# Altium PCB Copy of BGA_ACUity.PcbDoc (part 2 of 5) (continued)
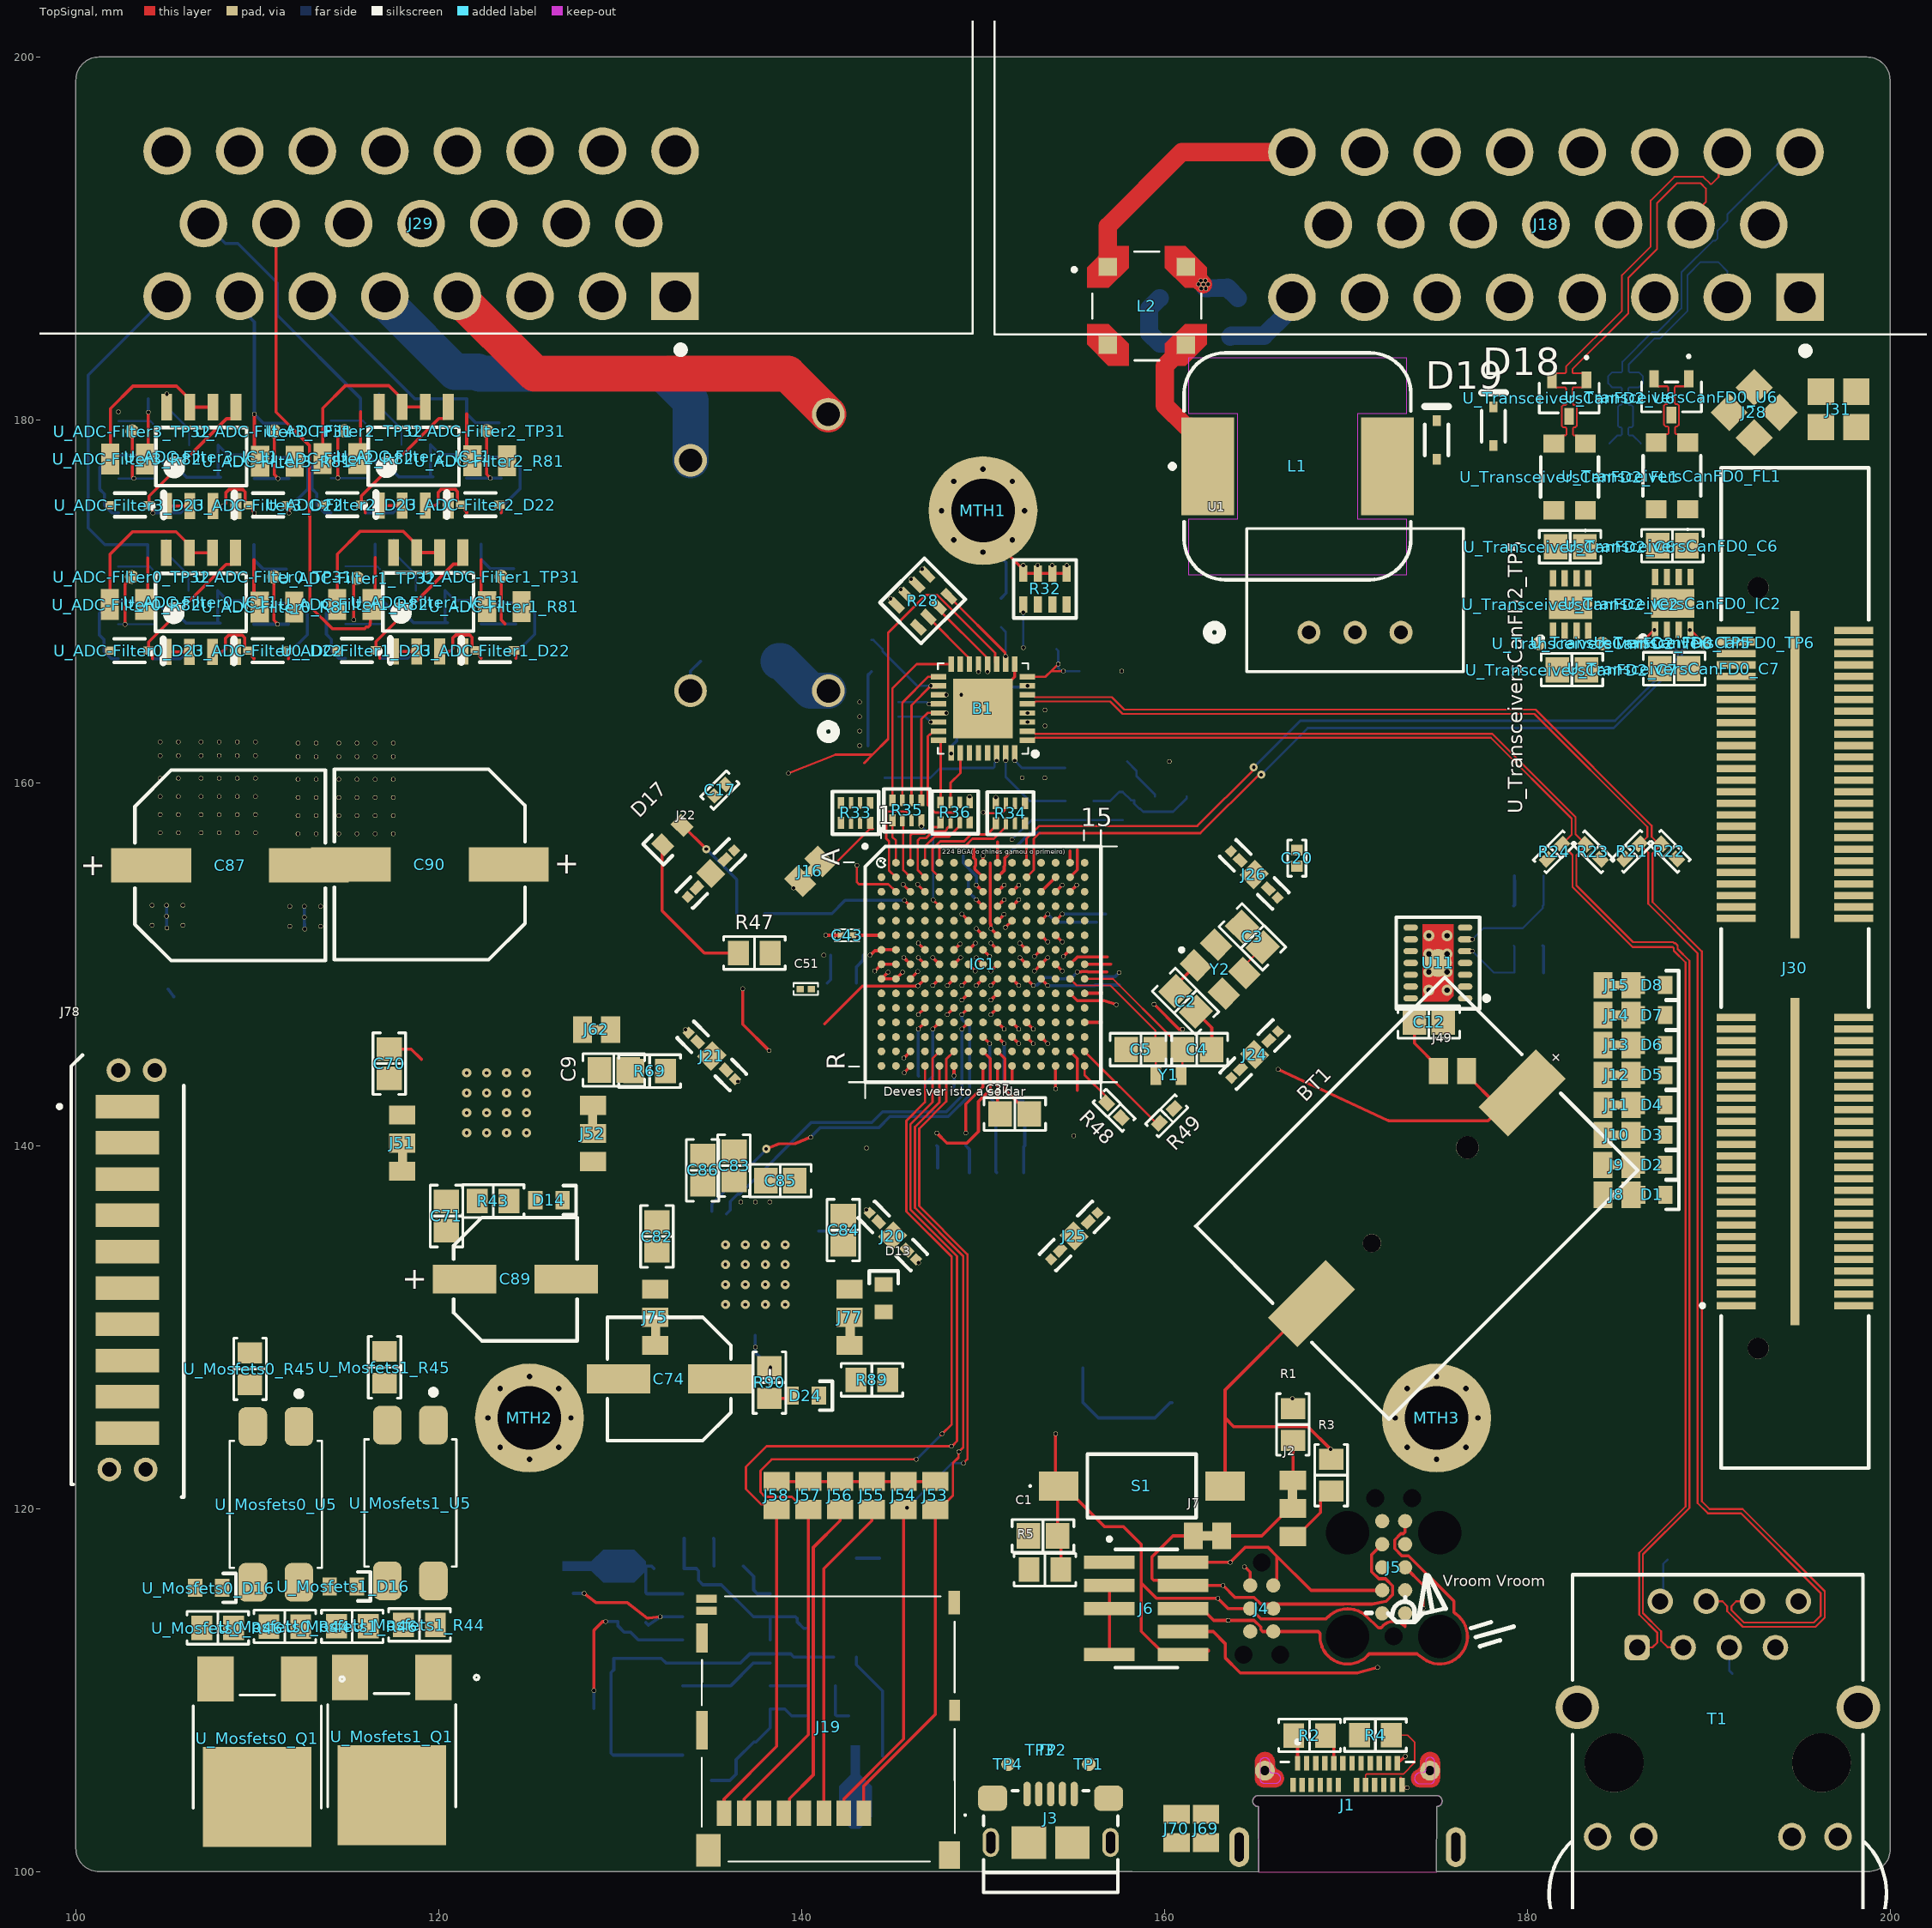
[diagram p0: TopSignal view]
## Components (designator, comment, footprint, x,y, rotation, side; value= is the part's Value field where it differs from the comment) (continued)
U_Mosfets0_D16 "RED" LED_0603_RED 107.32,115.632 r180 top (schematic designator D16)
U_Mosfets0_Q1 "RJF0408JPD-01J3" DPAKS_SC-63_PRSS0004ZD-C_REN 109.995,106.607 r180 top (schematic designator Q1)
U_Mosfets0_R44 "0Ohms" "RES 0805_2012" 111.52,113.507 r0 top (schematic designator R44)
U_Mosfets0_R45 "10 kOhms" "RES 0805_2012" 109.595,127.707 r270 top (schematic designator R45)
U_Mosfets0_R46 "10 kOhms" "RES 0805_2012" 107.82,113.432 r0 top (schematic designator R46)
U_Mosfets0_U5 "PC817" PC817 111.02,120.232 r270 top (schematic designator U5)
U_Mosfets1_D16 "RED" LED_0603_RED 114.736,115.717 r180 top (schematic designator D16)
U_Mosfets1_Q1 "RJF0408JPD-01J3" DPAKS_SC-63_PRSS0004ZD-C_REN 117.411,106.692 r180 top (schematic designator Q1)
U_Mosfets1_R44 "0Ohms" "RES 0805_2012" 118.936,113.592 r0 top (schematic designator R44)
U_Mosfets1_R45 "10 kOhms" "RES 0805_2012" 117.011,127.792 r270 top (schematic designator R45)
U_Mosfets1_R46 "10 kOhms" "RES 0805_2012" 115.236,113.517 r0 top (schematic designator R46)
U_Mosfets1_U5 "PC817" PC817 118.436,120.317 r270 top (schematic designator U5)
U_Mosfets2_D16 "RED" LED_0603_RED 114.99,118.006 r180 bottom (schematic designator D16)
U_Mosfets2_Q1 "RJF0408JPD-01J3" DPAKS_SC-63_PRSS0004ZD-C_REN 117.665,127.031 r180 bottom (schematic designator Q1)
U_Mosfets2_R44 "0Ohms" "RES 0805_2012" 119.19,120.131 r0 bottom (schematic designator R44)
U_Mosfets2_R45 "10 kOhms" "RES 0805_2012" 117.265,105.931 r90 bottom (schematic designator R45)
U_Mosfets2_R46 "10 kOhms" "RES 0805_2012" 115.49,120.206 r0 bottom (schematic designator R46)
U_Mosfets2_U5 "PC817" PC817 118.69,113.406 r90 bottom (schematic designator U5)
U_Mosfets3_D16 "RED" LED_0603_RED 106.518,118.121 r180 bottom (schematic designator D16)
U_Mosfets3_Q1 "RJF0408JPD-01J3" DPAKS_SC-63_PRSS0004ZD-C_REN 109.193,127.146 r180 bottom (schematic designator Q1)
U_Mosfets3_R44 "0Ohms" "RES 0805_2012" 110.718,120.246 r0 bottom (schematic designator R44)
U_Mosfets3_R45 "10 kOhms" "RES 0805_2012" 108.793,106.046 r90 bottom (schematic designator R45)
U_Mosfets3_R46 "10 kOhms" "RES 0805_2012" 107.018,120.321 r0 bottom (schematic designator R46)
U_Mosfets3_U5 "PC817" PC817 110.218,113.521 r90 bottom (schematic designator U5)
U_Mosfets4_D16 "RED" LED_0603_RED 104.642,148.223 r180 bottom (schematic designator D16)
U_Mosfets4_Q1 "RJF0408JPD-01J3" DPAKS_SC-63_PRSS0004ZD-C_REN 107.317,157.248 r180 bottom (schematic designator Q1)
U_Mosfets4_R44 "0Ohms" "RES 0805_2012" 109.097,150.451 r0 bottom (schematic designator R44)
U_Mosfets4_R45 "10 kOhms" "RES 0805_2012" 107.396,137.451 r90 bottom (schematic designator R45)
U_Mosfets4_R46 "10 kOhms" "RES 0805_2012" 105.496,150.451 r0 bottom (schematic designator R46)
U_Mosfets4_U5 "PC817" PC817 108.697,143.951 r90 bottom (schematic designator U5)
U_Mosfets5_D16 "RED" LED_0603_RED 112.5,148 r180 bottom (schematic designator D16)
U_Mosfets5_Q1 "RJF0408JPD-01J3" DPAKS_SC-63_PRSS0004ZD-C_REN 114.913,157.191 r180 bottom (schematic designator Q1)
U_Mosfets5_R44 "0Ohms" "RES 0805_2012" 116.692,150.394 r0 bottom (schematic designator R44)
U_Mosfets5_R45 "10 kOhms" "RES 0805_2012" 114.992,137.394 r90 bottom (schematic designator R45)
U_Mosfets5_R46 "10 kOhms" "RES 0805_2012" 113.092,150.394 r0 bottom (schematic designator R46)
U_Mosfets5_U5 "PC817" PC817 116.292,143.894 r90 bottom (schematic designator U5)
U_TransceiversCanFD0_C6 "0.1uF" "CAP 0805_2012"#1 187.995,173.068 r0 top value="0.1 µF" (schematic designator C6)
U_TransceiversCanFD0_C7 "0.1uF" "CAP 0805_2012"#1 188.095,166.293 r0 top value="0.1 µF" (schematic designator C7)
U_TransceiversCanFD0_FL1 "1812CAN-223NRC" 1812CAN223NRC 187.97,176.918 r90 top (schematic designator FL1)
U_TransceiversCanFD0_IC2 "MCP2542FD-E_MF" SON65P300X300X100-9N-D 188.02,169.893 r90 top (schematic designator IC2)
U_TransceiversCanFD0_TP5 "TestPad" "Test Pad Small"#1 186.27,167.743 r90 top (schematic designator TP5)
U_TransceiversCanFD0_TP6 "TestPad" "Test Pad Small"#1 189.77,167.743 r90 top (schematic designator TP6)
U_TransceiversCanFD0_U6 "SM24CANB-02HTG" SOT23-3_SM24CANB-02HTG_LTF-L 187.945,181.268 r180 top (schematic designator U6)
U_TransceiversCanFD1_C6 "0.1uF" "CAP 0805_2012"#1 185.366,173.009 r180 bottom value="0.1 µF" (schematic designator C6)
U_TransceiversCanFD1_C7 "0.1uF" "CAP 0805_2012"#1 185.266,166.234 r180 bottom value="0.1 µF" (schematic designator C7)
U_TransceiversCanFD1_FL1 "1812CAN-223NRC" 1812CAN223NRC 185.391,176.859 r90 bottom (schematic designator FL1)
U_TransceiversCanFD1_IC2 "MCP2542FD-E_MF" SON65P300X300X100-9N-D 185.341,169.834 r90 bottom (schematic designator IC2)
U_TransceiversCanFD1_TP5 "TestPad" "Test Pad Small"#1 187.091,167.684 r90 bottom (schematic designator TP5)
U_TransceiversCanFD1_TP6 "TestPad" "Test Pad Small"#1 183.591,167.684 r90 bottom (schematic designator TP6)
U_TransceiversCanFD1_U6 "SM24CANB-02HTG" SOT23-3_SM24CANB-02HTG_LTF-L 185.416,181.209 r0 bottom (schematic designator U6)
U_TransceiversCanFD2_C6 "0.1uF" "CAP 0805_2012"#1 182.36,173.008 r0 top value="0.1 µF" (schematic designator C6)
U_TransceiversCanFD2_C7 "0.1uF" "CAP 0805_2012"#1 182.46,166.233 r0 top value="0.1 µF" (schematic designator C7)
U_TransceiversCanFD2_FL1 "1812CAN-223NRC" 1812CAN223NRC 182.335,176.858 r90 top (schematic designator FL1)
U_TransceiversCanFD2_IC2 "MCP2542FD-E_MF" SON65P300X300X100-9N-D 182.385,169.833 r90 top (schematic designator IC2)
U_TransceiversCanFD2_TP5 "TestPad" "Test Pad Small"#1 180.635,167.683 r90 top (schematic designator TP5)
U_TransceiversCanFD2_TP6 "TestPad" "Test Pad Small"#1 184.135,167.683 r90 top (schematic designator TP6)
U_TransceiversCanFD2_U6 "SM24CANB-02HTG" SOT23-3_SM24CANB-02HTG_LTF-L 182.31,181.208 r180 top (schematic designator U6)
VR1 "3203X103P" 3203X103P 256.073,197.445 r0 top
Y1 "32.768kHz" WE-XTAL_IQXC-25 160.225,143.902 r180 top
Y2 "20MHz" WE-XTAL_CFPX-180 163.068,149.733 r315 top
Y3 "20MHz" WE-XTAL_CFPX-180 180.055,152.125 r270 bottom
Y4 "830208220901" WE-SPXO_IQXO-791 141.425,158.775 r180 bottom

## Footprints (in the part's own frame and the unit in brackets; to place one, negate y for a bottom-side part, rotate by r counter-clockwise, add the part's x,y. Pads: shape width x height; smd on the part's side, far side on the other; paste and mask are expansions set on the pad)
1-776087-5 [mm] "CONN HDR 23POS R/A W/GASKET AU"
  rect 2.625x2.625 hole 1.75: 1(-14.127,4.254)
  round 2.625 hole 1.75: 2(-10.127,4.254) 3(-6.127,4.254) 4(-2.127,4.254) 5(1.873,4.254) 6(5.873,4.254) 7(9.873,4.254) 8(13.873,4.254) 9(-12.127,0.254) 10(-8.127,0.254) 11(-4.127,0.254) 12(-0.127,0.254) 13(3.873,0.254) 14(7.873,0.254) 15(11.873,0.254) 16(-14.127,-3.746) 17(-10.127,-3.746) 18(-6.127,-3.746) 19(-2.127,-3.746) 20(1.873,-3.746) 21(5.873,-3.746) 22(9.873,-3.746) 23(13.873,-3.746)
  silkscreen extent -30.53,-31.6 30.27,7.4, body extent -30.73,-31.5 30.07,6.3, height 30.05
1812CAN223NRC [mm]
  rect 1x1.15 smd: 1(-1.84,-0.865) 2(1.84,-0.865) 3(1.84,0.865) 4(-1.84,0.865)
  silkscreen extent -3,-1.59 1.1,1.6, body extent -2.47,-1.59 2.47,1.59, height 3.1
1894K-32LF [mm]
  rect 0.85x0.3 smd: 1(-2.45,1.75) 2(-2.45,1.25) 3(-2.45,0.75) 4(-2.45,0.25) 5(-2.45,-0.25) 6(-2.45,-0.75) 7(-2.45,-1.25) 8(-2.45,-1.75) 17(2.45,-1.75) 18(2.45,-1.25) 19(2.45,-0.75) 20(2.45,-0.25) 21(2.45,0.25) 22(2.45,0.75) 23(2.45,1.25) 24(2.45,1.75)
  rect 0.3x0.85 smd: 9(-1.75,-2.45) 10(-1.25,-2.45) 11(-0.75,-2.45) 12(-0.25,-2.45) 13(0.25,-2.45) 14(0.75,-2.45) 15(1.25,-2.45) 16(1.75,-2.45) 25(1.75,2.45) 26(1.25,2.45) 27(0.75,2.45) 28(0.25,2.45) 29(-0.25,2.45) 30(-0.75,2.45) 31(-1.25,2.45) 32(-1.75,2.45)
  rect 3.3x3.3 smd: 33(0,0)
  silkscreen extent -3,-2.49 2.49,2.62, body extent -2.55,-2.55 2.55,2.55, height 1
3203X103P [mm]
  rect 1.2x1.2 smd: 1(1,-1.625) 3(-1,-1.625)
  rect 1.6x1.5 smd: 2(0,1.625)
  silkscreen extent -1.7,-2.7 1.7,1.75, body extent -1.7,-2.1 1.7,2.22, height 2.1
14375664 [mm]
  rect 2.18x1.6 smd: 1(-4.59,0) 2(4.59,0)
  silkscreen extent -6.2,-1.75 3,1.75, body extent -4.98,-1.75 4.98,1.75, height 4.4
22017781 [mm]
  rect 0.8x1.4 smd: 1(3.875,-4.65) 2(2.774,-4.65) 3(1.674,-4.65) 4(0.574,-4.65) 5(-0.526,-4.65) 6(-1.626,-4.65) 7(-2.726,-4.65) 8(-3.826,-4.65)
  rect 1.15x0.45 smd: 9(-4.791,7.175) 10(-4.791,6.515)
  rect 1.35x1.8 smd: 11(-4.69,-6.7)
  rect 0.65x2.14 smd: 12(-5.041,-0.07)
  rect 0.65x1.6 smd: 13(-5.041,5.01)
  rect 0.65x1.3 smd: 14(8.86,6.95)
  rect 0.6x1.15 smd: 15(8.885,1.025)
  rect 1.16x1.5 smd: 16(8.604,-6.95)
  silkscreen extent -5.06,-7.3 9.52,7.3, body extent -5.11,-8.87 8.92,7.33, height 1.8
74990111215A [mm] "RJ45 LAN Transformer, THT, body 16.00 x 21.25 mm"
  rrect50% 1.4x1.4 hole 0.9: 1(-4.445,6.35)
  round 1.4 hole 0.9: 2(-3.175,8.89) 3(-1.905,6.35) 4(-0.635,8.89) 5(0.635,6.35) 6(1.905,8.89) 7(3.175,6.35) 8(4.445,8.89)
  round 1.52 hole 1.02: 9(-6.625,-4.08) 10(-4.085,-4.08) 11(4.085,-4.08) 12(6.625,-4.08)
  round 3.25 hole 3.25 unplated: MH1(-5.715,0) MH2(5.715,0)
  round 2.4 hole 1.6: Shell(-7.745,3.05) Shell(7.745,3.05)
  silkscreen extent -9.3,-10.89 9.3,10.36, body extent -9.35,-10.89 9.35,10.36, height 14.95
"CAP 0201_0603" [mm] "Chip Capacitor, 2-Leads, Body 0.60x0.30mm, IPC Medium Density"
  rect 0.4x0.35 smd: 1(-0.31,0) 2(0.31,0)
  silkscreen extent -0.67,-0.33 0.67,0.33, body extent -0.3,-0.15 0.3,0.15, height 0.3
"CAP 0402_1005" [mm] "Chip Capacitor, 2-Leads, Body 1.02x0.51mm, IPC Medium Density"
  rect 0.6x0.64 smd: 1(-0.44,0) 2(0.44,0)
  silkscreen extent -1,-0.5 1,0.5, body extent -0.5,-0.26 0.5,0.26, height 0.52
"CAP 0805_2012"#1 [mm] "Chip Capacitor, 2-Leads, Body 2.00x1.20mm, IPC Medium Density"
  rect 1.3x1.4 smd: 1(-0.8,0) 2(0.8,0)
  silkscreen extent -1.7,-0.9 1.7,0.9, body extent -1,-0.64 1,0.64, height 1.26
"CAP 0805_2012"#2 [mm] "Chip Capacitor, 2-Leads, Body 2.00x1.20mm, IPC Medium Density"
  rect 1.4x1.3 smd: 1(-0.8,0)
  rect 1.3x1.4 smd: 2(0.8,0)
  silkscreen extent -1.7,-0.9 1.7,0.9, body extent -1,-0.64 1,0.64, height 1.26
CAP_0805 [mm]
  rect 1.4x1.7 smd: 1(-1.143,0) 2(1.143,0)
  body extent -1.15,-0.76 1.15,0.79, height 1.01
CAPC0805(2012)145_L [mm] "Chip Capacitor, Body 2.0x1.2mm, Height 1.45mm, IPC High Density"
  rrect25% 0.76x1.3 smd: 1(-0.9,0) 2(0.89,0)
  silkscreen extent -0.3,-0.55 0.3,0.55, body extent -1,-0.6 1,0.6, height 1.45
DIOD-SOD323-2-A_V [mm] "SOD-323, 2-Leads, Body 1.7x1.3mm, Lead Span 2.5mm"
  rect 0.59x0.45 smd: 1(-1.055,0) 2(1.055,0)
  silkscreen extent -0.85,-0.65 1.85,0.65, body extent -1.24,-0.7 1.24,0.7, height 1.2
"DO214AA SMB" [mm] "Molded Diode, 2-Leads, Body 4.31x3.62mm, IPC Medium Density"
  rect 2.45x2.15 smd: 1(-2.15,0) 2(2.15,0)
  silkscreen extent -3.6,-1.8 3.8,1.8, body extent -2.6,-1.8 2.6,1.8, height 2.4
DPAKS_SC-63_PRSS0004ZD-C_REN [mil]
  rect 79x98 smd paste+0 mask+0: 1(-90.55,-157.7) 3(90.55,-157.7)
  rect 236x217 smd paste+0 mask+0: 4(0,98.2)
  silkscreen extent -189,-163 139,123
"FCI USB 10118193-0001LF" [mm] "USB 2.0 Type B Micro"
  oval 0.4x1.35 smd: 1(1.3,-2.625) 2(0.65,-2.625) 3(0,-2.625) 4(-0.65,-2.625) 5(-1.3,-2.625)
  oval 0.9x1.6 hole 0.5 slot 1.2 at 90 deg: S(-3.3,0.05) S(3.3,0.05)
  rrect50% 1.6x1.4 smd: S(-3.2,-2.4) S(3.2,-2.4)
  rect 1.9x1.8 smd: S(-1.2,0.05) S(1.2,0.05)
  silkscreen extent -3.7,-2.8 3.7,2.8, body extent -3.93,-2.9 3.93,2.76, height 2.78
FP-0805-L_2_01_0_2-W_1_25-IPC_B [mm]
  rect 1.305x1.456 smd paste+0 mask+0: 1(-0.806,0) 2(0.806,0)
  silkscreen extent -1.46,-1.13 1.46,1.13, body extent -1,-0.63 1,0.63, height 0.94
FP-D0008A-IPC_A [mm]
  rect 2.469x0.622 smd paste+0 mask+0: 1(-2.414,1.905)
  rrect100% 2.469x0.622 smd paste+0 mask+0: 2(-2.414,0.635) 3(-2.414,-0.635) 4(-2.414,-1.905) 5(2.414,-1.905) 6(2.414,-0.635) 7(2.414,0.635) 8(2.414,1.905)
  silkscreen extent -4.32,-2.45 0.68,2.45, body extent -3,-2.45 3,2.45, height 1.75
FP-S0951-46R-MFG [mm]
  rect 0.5x0.48 smd paste+0 mask+0: 1(0,-1.81) 1(0,1.81)
  rect 0.5x0.7 smd paste+0 mask+0: 1(0,-1.1) 1(0,1.1)
  rect 1.2x1.1 smd paste+0 mask+0: 1(0,0)
  silkscreen extent -0.65,-2.05 0.65,2.05, body extent -0.75,-2.15 0.75,2.15, height 0.25
FP-S8411-45R-MFG [mm]
  rect 2.3x4.5 smd paste+0 mask+0: 1(0,8.2) 2(0,-8.2)
  round 1 hole 1 unplated paste-2539.97 mask+0: ""(0,3.5)
  round 1.25 hole 1.25 unplated paste-2539.97 mask+0: ""(0,-3.95)
  silkscreen extent -7.52,-9.7 7.52,9.7, body extent -7.63,-10.55 7.63,10.55, height 0.25
FP-TN2510N8-G-IPC_C [mm]
  rect 1.2x0.5 smd paste+0 mask+0: 1(-1.84,1.5) 3(-1.84,-1.5)
  round 1.62 smd paste+0 mask+0: 2(0.316,0)
  TopSignal region: -2.44,-0.25 -2.44,0.25 -0.84,0.25 -0.19,0.9 1.51,0.9 2.16,0.25 2.16,-0.25 1.51,-0.9 -0.19,-0.9 -0.84,-0.25 -2.44,-0.25
  silkscreen extent -1.3,-2.3 1.3,2.3, body extent -2.19,-2.25 1.91,2.25, height 1.6
FUSE_1206 [mm]
  rect 1.8x1.84 smd: 1(-1.5,0) 2(1.5,0)
  body extent -1.65,-0.82 1.65,0.81, height 0.84
IND_LPD6235 [mm]
  rect 1x1 smd paste-1 mask+0: 1(-2.023,2.15) 2(-2.023,-2.15) 3(2.277,-2.15) 4(2.277,2.15)
  TopSignal region: -0.873,2.1 -1.973,1 -3.173,1 -3.173,2.125 -1.998,3.3 -0.873,3.3
  TopSignal region: 3.427,-2.125 2.252,-3.3 1.127,-3.3 1.127,-2.1 2.227,-1 3.427,-1
  TopSignal region: -0.873,-2.1 -0.873,-3.3 -1.998,-3.3 -3.173,-2.125 -3.173,-1 -1.973,-1
  TopSignal region: 3.427,2.125 3.427,1 2.227,1 1.127,2.1 1.127,3.3 2.252,3.3
  silkscreen extent -3.97,-3 3.13,3, body extent -2.87,-3 3.13,3, height 3.5
INDC2317X152N [mm]
  rect 1x1.85 smd: 1(-1.05,0) 2(1.05,0)
  silkscreen extent 0,-0.76 0,0.76, body extent -1.14,-0.86 1.14,0.86, height 1.51
LED_0603_RED [mm]
  rect 0.8x1 smd: A(0.75,0) K(-0.75,0)
  silkscreen extent -1.5,-0.8 -0.8,0.8, body extent -0.8,-0.4 0.8,0.4, height 0.6
MCP2515 [mm]
  rrect100% 0.8x0.35 smd paste+0 mask+0: 1(0.811,-0.692) 2(0.811,-1.342) 3(0.811,-1.992) 4(0.811,-2.642) 5(0.811,-3.292) 6(0.811,-3.942) 7(0.811,-4.592) 8(3.811,-4.592) 9(3.811,-3.942) 10(3.811,-3.292) 11(3.811,-2.642) 12(3.811,-1.992) 13(3.811,-1.342) 14(3.811,-0.692)
  round 1.53 smd paste+0 mask+0: 15(2.311,-2.642)
  TopSignal region: 3.161,-0.517 1.761,-0.517 1.461,-0.817 1.461,-4.767 3.161,-4.767 3.161,-0.517
  silkscreen extent -0.49,-5.17 4.61,-0.12, body extent 0.31,-5.04 4.31,-0.24, height 0.25
Mounting_Hole_3.5mm [mm]
  round 6 hole 3.5: 1(0,0)
ONSC-SOT-23-3-318-08_V [mm] "SOT23, 3-Leads, Body 2.92x1.3mm, Pitch 0.95mm"
  rect 0.9x0.8 smd: 1(-1,0.95) 2(-1,-0.95) 3(1,0)
  silkscreen extent -1.12,-1.46 0.65,2.02, body extent -0.65,-1.46 0.65,1.46, height 1.11
PC817 [mm]
  rrect50% 2.13x1.57 smd: 1(-4.29,1.27) 2(-4.29,-1.27) 3(4.29,-1.27) 4(4.29,1.27)
  silkscreen extent -6.25,-2.54 3.5,2.54, body extent -4.87,-2.29 4.87,2.29, height 4
"Pluck-Of-Needles 6 POS naked" [mil] "A proprietary solderless JTAG disposition"
  round 30.98 smd: 1(50,-25) 2(50,25) 3(100,-25) 4(100,25) 5(150,-25) 6(150,25)
  round 0 hole 39 unplated: H0(0,0) H0(200,-40) H0(200,40)
"Pluck-Of-Needles 10 POS" [mil] "A proprietary solderless JTAG disposition"
  round 30.98 smd: 1(50,25) 2(100,25) 3(150,25) 4(200,25) 5(250,25) 6(250,-25) 7(200,-25) 8(150,-25) 9(100,-25) 10(50,-25)
  round 0 hole 93.5 unplated: H0(0,100) H0(0,-100) H0(225,-100) H0(225,100)
  round 0 hole 39 unplated: H0(0,0) H0(300,-40) H0(300,40)
"PokaYoke Blank" [mm] "An solderbridge variation meant to permit crossover to straightrough variations easily"
  rect 1.45x1.45 smd: RX_0(0.965,-1.956) RX_1(-0.991,-1.956) TX_0(-0.991,0) TX_1(0.965,0)
PQFN80P525X800X100_HS-29N [mm] "PQFN, 28-Leads, Body 5,25x8,00mm, Pitch 0,80mm, Thermal Pad 5,00x5,00mm, IPC Medium Density"
  rect 0.47x0.6 smd: 1(-3.77,3.29) 17(3.77,-3.29)
  rect 0.92x0.78 smd: 1(-3.36,3.29) 17(3.36,-3.29)
  rect 0.6x0.65 smd: 1(-3.36,3.7) 17(3.36,-3.7)
  oct 1.3x0.6 smd: 2(-3.5,2.4) 8(-3.5,-2.4) 18(3.5,-2.4) 24(3.5,2.4)
  rect 1.3x0.6 smd: 3(-3.35,1.6) 4(-3.35,0.8) 5(-3.35,0) 6(-3.35,-0.8) 7(-3.35,-1.6) 19(3.35,-1.6) 20(3.35,-0.8) 21(3.35,0) 22(3.35,0.8) 23(3.35,1.6)
  rect 5x5 smd mask+0.05: 5(0,0)
  rect 0.65x0.6 smd: 9(-3.7,-3.36) 25(3.7,3.36)
  rect 0.6x0.47 smd: 9(-3.29,-3.77) 25(3.29,3.77)
  rect 0.78x0.92 smd: 9(-3.29,-3.36) 25(3.29,3.36)
  oct 0.6x1.3 smd: 10(-2.4,-3.5) 16(2.4,-3.5) 26(2.4,3.5) 32(-2.4,3.5)
  rect 0.6x1.3 smd: 11(-1.6,-3.375) 12(-0.8,-3.375) 13(0,-3.375) 14(0.8,-3.375) 15(1.6,-3.375) 27(1.6,3.375) 28(0.8,3.375) 29(0,3.375) 30(-0.8,3.375) 31(-1.6,3.375)
  silkscreen extent -4.77,-4 4,4, body extent -4,-4 4,4, height 1
RA8M1_BGA [mil]
  round 16.77 smd: A2(68.02,-35.53) A3(99.52,-35.53) A4(131.02,-35.53) A5(162.51,-35.53) A6(194.01,-35.53) A7(225.5,-35.53) A8(257,-35.53) A9(288.5,-35.53) A10(319.99,-35.53) A11(351.49,-35.53) A12(382.98,-35.53) A13(414.48,-35.53) A14(445.98,-35.53) A15(477.47,-35.53) B1(36.53,-67.02) B2(68.02,-67.02) B3(99.52,-67.02) B4(131.02,-67.02) B5(162.51,-67.02) B6(194.01,-67.02) B7(225.5,-67.02) B8(257,-67.02) B9(288.5,-67.02) B10(319.99,-67.02) B11(351.49,-67.02) B12(382.98,-67.02) B13(414.48,-67.02) B14(445.98,-67.02) B15(477.47,-67.02) C1(36.53,-98.52) C2(68.02,-98.52) C3(99.52,-98.52) C4(131.02,-98.52) C5(162.51,-98.52) C6(194.01,-98.52) C7(225.5,-98.52) C8(257,-98.52) C9(288.5,-98.52) C10(319.99,-98.52) C11(351.49,-98.52) C12(382.98,-98.52) C13(414.48,-98.52) C14(445.98,-98.52) C15(477.47,-98.52) D1(36.53,-130.02) D2(68.02,-130.02) D3(99.52,-130.02) D4(131.02,-130.02) D5(162.51,-130.02) D6(194.01,-130.02) D7(225.5,-130.02) D8(257,-130.02) D9(288.5,-130.02) D10(319.99,-130.02) D11(351.49,-130.02) D12(382.98,-130.02) D13(414.48,-130.02) D14(445.98,-130.02) D15(477.47,-130.02) E1(36.53,-161.51) E2(68.02,-161.51) E3(99.52,-161.51) E4(131.02,-161.51) E5(162.51,-161.51) E6(194.01,-161.51) E7(225.5,-161.51) E8(257,-161.51) E9(288.5,-161.51) E10(319.99,-161.51) E11(351.49,-161.51) E12(382.98,-161.51) E13(414.48,-161.51) E14(445.98,-161.51) E15(477.47,-161.51) F1(36.53,-193.01) F2(68.02,-193.01) F3(99.52,-193.01) F4(131.02,-193.01) F5(162.51,-193.01) F6(194.01,-193.01) F7(225.5,-193.01) F8(257,-193.01) F9(288.5,-193.01) F10(319.99,-193.01) F11(351.49,-193.01) F12(382.98,-193.01) F13(414.48,-193.01) F14(445.98,-193.01) F15(477.47,-193.01) G1(36.53,-224.5) G2(68.02,-224.5) G3(99.52,-224.5) G4(131.02,-224.5) G5(162.51,-224.5) G6(194.01,-224.5) G7(225.5,-224.5) G8(257,-224.5) G9(288.5,-224.5) G10(319.99,-224.5) G11(351.49,-224.5) G12(382.98,-224.5) G13(414.48,-224.5) G14(445.98,-224.5) G15(477.47,-224.5) H1(36.53,-256) H2(68.02,-256) H3(99.52,-256) H4(131.02,-256) H5(162.51,-256) H6(194.01,-256) H7(225.5,-256) H8(257,-256) H9(288.5,-256) H10(319.99,-256) H11(351.49,-256) H12(382.98,-256) H13(414.48,-256) H14(445.98,-256) H15(477.47,-256) J1(36.53,-287.5) J2(68.02,-287.5) J3(99.52,-287.5) J4(131.02,-287.5) J5(162.51,-287.5) J6(194.01,-287.5) J7(225.5,-287.5) J8(257,-287.5) J9(288.5,-287.5) J10(319.99,-287.5) J11(351.49,-287.5) J12(382.98,-287.5) J13(414.48,-287.5) J14(445.98,-287.5) J15(477.47,-287.5) K1(36.53,-318.99) K2(68.02,-318.99) K3(99.52,-318.99) K4(131.02,-318.99) K5(162.51,-318.99) K6(194.01,-318.99) K7(225.5,-318.99) K8(257,-318.99) K9(288.5,-318.99) K10(319.99,-318.99) K11(351.49,-318.99) K12(382.98,-318.99) K13(414.48,-318.99) K14(445.98,-318.99) K15(477.47,-318.99) L1(36.53,-350.49) L2(68.02,-350.49) L3(99.52,-350.49) L4(131.02,-350.49) L5(162.51,-350.49) L6(194.01,-350.49) L7(225.5,-350.49) L8(257,-350.49) L9(288.5,-350.49) L10(319.99,-350.49) L11(351.49,-350.49) L12(382.98,-350.49) L13(414.48,-350.49) L14(445.98,-350.49) L15(477.47,-350.49) M1(36.53,-381.98) M2(68.02,-381.98) M3(99.52,-381.98) M4(131.02,-381.98) M5(162.51,-381.98) M6(194.01,-381.98) M7(225.5,-381.98) M8(257,-381.98) M9(288.5,-381.98) M10(319.99,-381.98) M11(351.49,-381.98) M12(382.98,-381.98) M13(414.48,-381.98) M14(445.98,-381.98) M15(477.47,-381.98) N1(36.53,-413.48) N2(68.02,-413.48) N3(99.52,-413.48) N4(131.02,-413.48) N5(162.51,-413.48) N6(194.01,-413.48) N7(225.5,-413.48) N8(257,-413.48) N9(288.5,-413.48) N10(319.99,-413.48) N11(351.49,-413.48) N12(382.98,-413.48) N13(414.48,-413.48) N14(445.98,-413.48) N15(477.47,-413.48) P1(36.53,-444.98) P2(68.02,-444.98) P3(99.52,-444.98) P4(131.02,-444.98) P5(162.51,-444.98) P6(194.01,-444.98) P7(225.5,-444.98) P8(257,-444.98) P9(288.5,-444.98) P10(319.99,-444.98) P11(351.49,-444.98) P12(382.98,-444.98) P13(414.48,-444.98) P14(445.98,-444.98) P15(477.47,-444.98) R1(36.53,-476.47) R2(68.02,-476.47) R3(99.52,-476.47) R4(131.02,-476.47) R5(162.51,-476.47) R6(194.01,-476.47) R7(225.5,-476.47) R8(257,-476.47) R9(288.5,-476.47) R10(319.99,-476.47) R11(351.49,-476.47) R12(382.98,-476.47) R13(414.48,-476.47) R14(445.98,-476.47) R15(477.47,-476.47)
  silkscreen extent -45,-547 548,40, body extent 1,-512 513,0, height 58
RELAY4_1-1393194-0_TEC [mil]
  round 71 / inner round 60 / far side round 71 hole 51 paste-99999 mask+0: 1(0,-1.79) 2(0,-301) 3(500,-300.79) 4(600,-2)
  silkscreen extent -103,-357 664,55
"RES 0402_1005" [mm] "Chip Resistor, 2-Leads, Body 1.0x0.5mm, IPC Medium Density"
  rect 0.75x0.6 smd: 1(-0.575,0) 2(0.575,0)
  silkscreen extent -1.14,-0.51 1.14,0.51, body extent -0.5,-0.25 0.5,0.25, height 0.35
"RES 0805_2012" [mm] "Chip Resistor, 2-Leads, Body 2.00x1.25mm, IPC Medium Density"
  rect 1.15x1.35 smd: 1(-0.875,0) 2(0.875,0)
  silkscreen extent -1.7,-0.9 1.7,0.9, body extent -1,-0.62 1,0.63, height 0.6
"RES 1206_3216" [mm] "Chip Resistor, 2-Leads, Body 3.13x1.55mm, IPC Medium Density"
  rect 1.2x1.65 smd: 1(-1.4,0) 2(1.4,0)
  silkscreen extent -2.3,-1.1 2.3,1.1, body extent -1.6,-0.8 1.6,0.8, height 0.6
RES_0805 [mm]
  rect 1x1.7 smd: 1(-0.95,0) 2(0.95,0)
  body extent -1,-0.63 1,0.63, height 0.47
RESC2013X50X30LL20T20 [mm] "Chip Resistor, 2-Leads, Body 2.00x1.25mm, IPC High Density"
  rect 0.85x1.35 smd: 1(-0.825,0) 2(0.825,0)
  silkscreen extent -0.1,-0.57 0.1,0.58, body extent -1.1,-0.72 1.1,0.72, height 0.5
"RESNET 0804-8 CONVEX" [mm] "4 resistor 2.0x1.0mm, 0.65mm high"
  rect 0.65x0.35 smd: 1(-0.55,0.8) 4(-0.55,-0.8) 5(0.55,-0.8) 8(0.55,0.8)
  rect 0.65x0.25 smd: 2(-0.55,0.25) 3(-0.55,-0.25) 6(0.55,-0.25) 7(0.55,0.25)
  silkscreen extent -1.18,-1.28 1.17,1.28, body extent -0.53,-1.02 0.53,1.03, height 0.56
"RESNET 1206-8 CONVEX" [mm] "4 resistor 3.20x1.60mm, 0.7mm high"
  rect 0.9x0.45 smd: 1(-0.85,1.2) 2(-0.85,0.4) 3(-0.85,-0.4) 4(-0.85,-1.2) 5(0.85,-1.2) 6(0.85,-0.4) 7(0.85,0.4) 8(0.85,1.2)
  silkscreen extent -1.6,-1.72 1.6,1.73, body extent -0.84,-1.63 0.84,1.63, height 0.71
S722145R [mm]
  rect 0.55x1 smd: 1(-1,0)
  rect 1.25x1 smd: 2(0.35,0)
  silkscreen extent -2.2,-0.05 -2.1,0.05, body extent -1.33,-0.5 1.27,0.5, height 1.23
SAMTEC_FTSH-105-01-L-DV-007 [mm]
  rect 0.74x2.79 smd: 01(-2.54,-2.035) 02(-2.54,2.035) 03(-1.27,-2.035) 04(-1.27,2.035) 05(0,-2.035) 06(0,2.035) 08(1.27,2.035) 09(2.54,-2.035) 10(2.54,2.035)
  silkscreen extent -3.92,-2.13 3.26,1.71
SAMTEC_QFS-052-04.25-XX-D-A-GP [mil]
  rect 16x85 smd: 01(-732.5,127.5) 02(-732.5,-127.5) 03(-707.5,127.5) 04(-707.5,-127.5) 05(-682.5,127.5) 06(-682.5,-127.5) 07(-657.5,127.5) 08(-657.5,-127.5) 09(-632.5,127.5) 10(-632.5,-127.5) 11(-607.5,127.5) 12(-607.5,-127.5) 13(-582.5,127.5) 14(-582.5,-127.5) 15(-557.5,127.5) 16(-557.5,-127.5) 17(-532.5,127.5) 18(-532.5,-127.5) 19(-507.5,127.5) 20(-507.5,-127.5) 21(-482.5,127.5) 22(-482.5,-127.5) 23(-457.5,127.5) 24(-457.5,-127.5) 25(-432.5,127.5) 26(-432.5,-127.5) 27(-407.5,127.5) 28(-407.5,-127.5) 29(-382.5,127.5) 30(-382.5,-127.5) 31(-357.5,127.5) 32(-357.5,-127.5) 33(-332.5,127.5) 34(-332.5,-127.5) 35(-307.5,127.5) 36(-307.5,-127.5) 37(-282.5,127.5) 38(-282.5,-127.5) 39(-257.5,127.5) 40(-257.5,-127.5) 41(-232.5,127.5) 42(-232.5,-127.5) 43(-207.5,127.5) 44(-207.5,-127.5) 45(-182.5,127.5) 46(-182.5,-127.5) 47(-157.5,127.5) 48(-157.5,-127.5) 49(-132.5,127.5) 50(-132.5,-127.5) 51(-107.5,127.5) 52(-107.5,-127.5) 53(107.5,127.5) 54(107.5,-127.5) 55(132.5,127.5) 56(132.5,-127.5) 57(157.5,127.5) 58(157.5,-127.5) 59(182.5,127.5) 60(182.5,-127.5) 61(207.5,127.5) 62(207.5,-127.5) 63(232.5,127.5) 64(232.5,-127.5) 65(257.5,127.5) 66(257.5,-127.5) 67(282.5,127.5) 68(282.5,-127.5) 69(307.5,127.5) 70(307.5,-127.5) 71(332.5,127.5) 72(332.5,-127.5) 73(357.5,127.5) 74(357.5,-127.5) 75(382.5,127.5) 76(382.5,-127.5) 77(407.5,127.5) 78(407.5,-127.5) 79(432.5,127.5) 80(432.5,-127.5) 81(457.5,127.5) 82(457.5,-127.5) 83(482.5,127.5) 84(482.5,-127.5) 85(507.5,127.5) 86(507.5,-127.5) 87(532.5,127.5) 88(532.5,-127.5) 89(557.5,127.5) 90(557.5,-127.5) 91(582.5,127.5) 92(582.5,-127.5) 93(607.5,127.5) 94(607.5,-127.5) 95(632.5,127.5) 96(632.5,-127.5) 97(657.5,127.5) 98(657.5,-127.5) 99(682.5,127.5) 100(682.5,-127.5) 101(707.5,127.5) 102(707.5,-127.5) 103(732.5,127.5) 104(732.5,-127.5)
  rect 710x20 smd: G1(-420,0) G2(420,0)
  round 46 hole 46 unplated: ""(-825,80) ""(825,80)
  silkscreen extent -1085,-160 1085,205
SAMTEC_UMPS-10-05.5-G-V-S-W-TR [mm]
  rect 1.3x3.5 smd: 01(-9,0) 02(-7,0) 03(-5,0) 04(-3,0) 05(-1,0) 06(1,0) 07(3,0) 08(5,0) 09(7,0) 10(9,0)
  round 1.308 hole 0.8: S1(-11,1.5) S2(11,1) S3(-11,-0.5) S4(11,-1)
  silkscreen extent -11.83,-3.85 12.53,3.1
SOD3716X135N [mm]
  rect 1.25x0.75 smd: 1(-1.65,0) 2(1.65,0)
  silkscreen extent -2.27,-0.78 1.8,1.19